# Altium PCB higgs.PcbDoc (part 9 of 25) (continued)
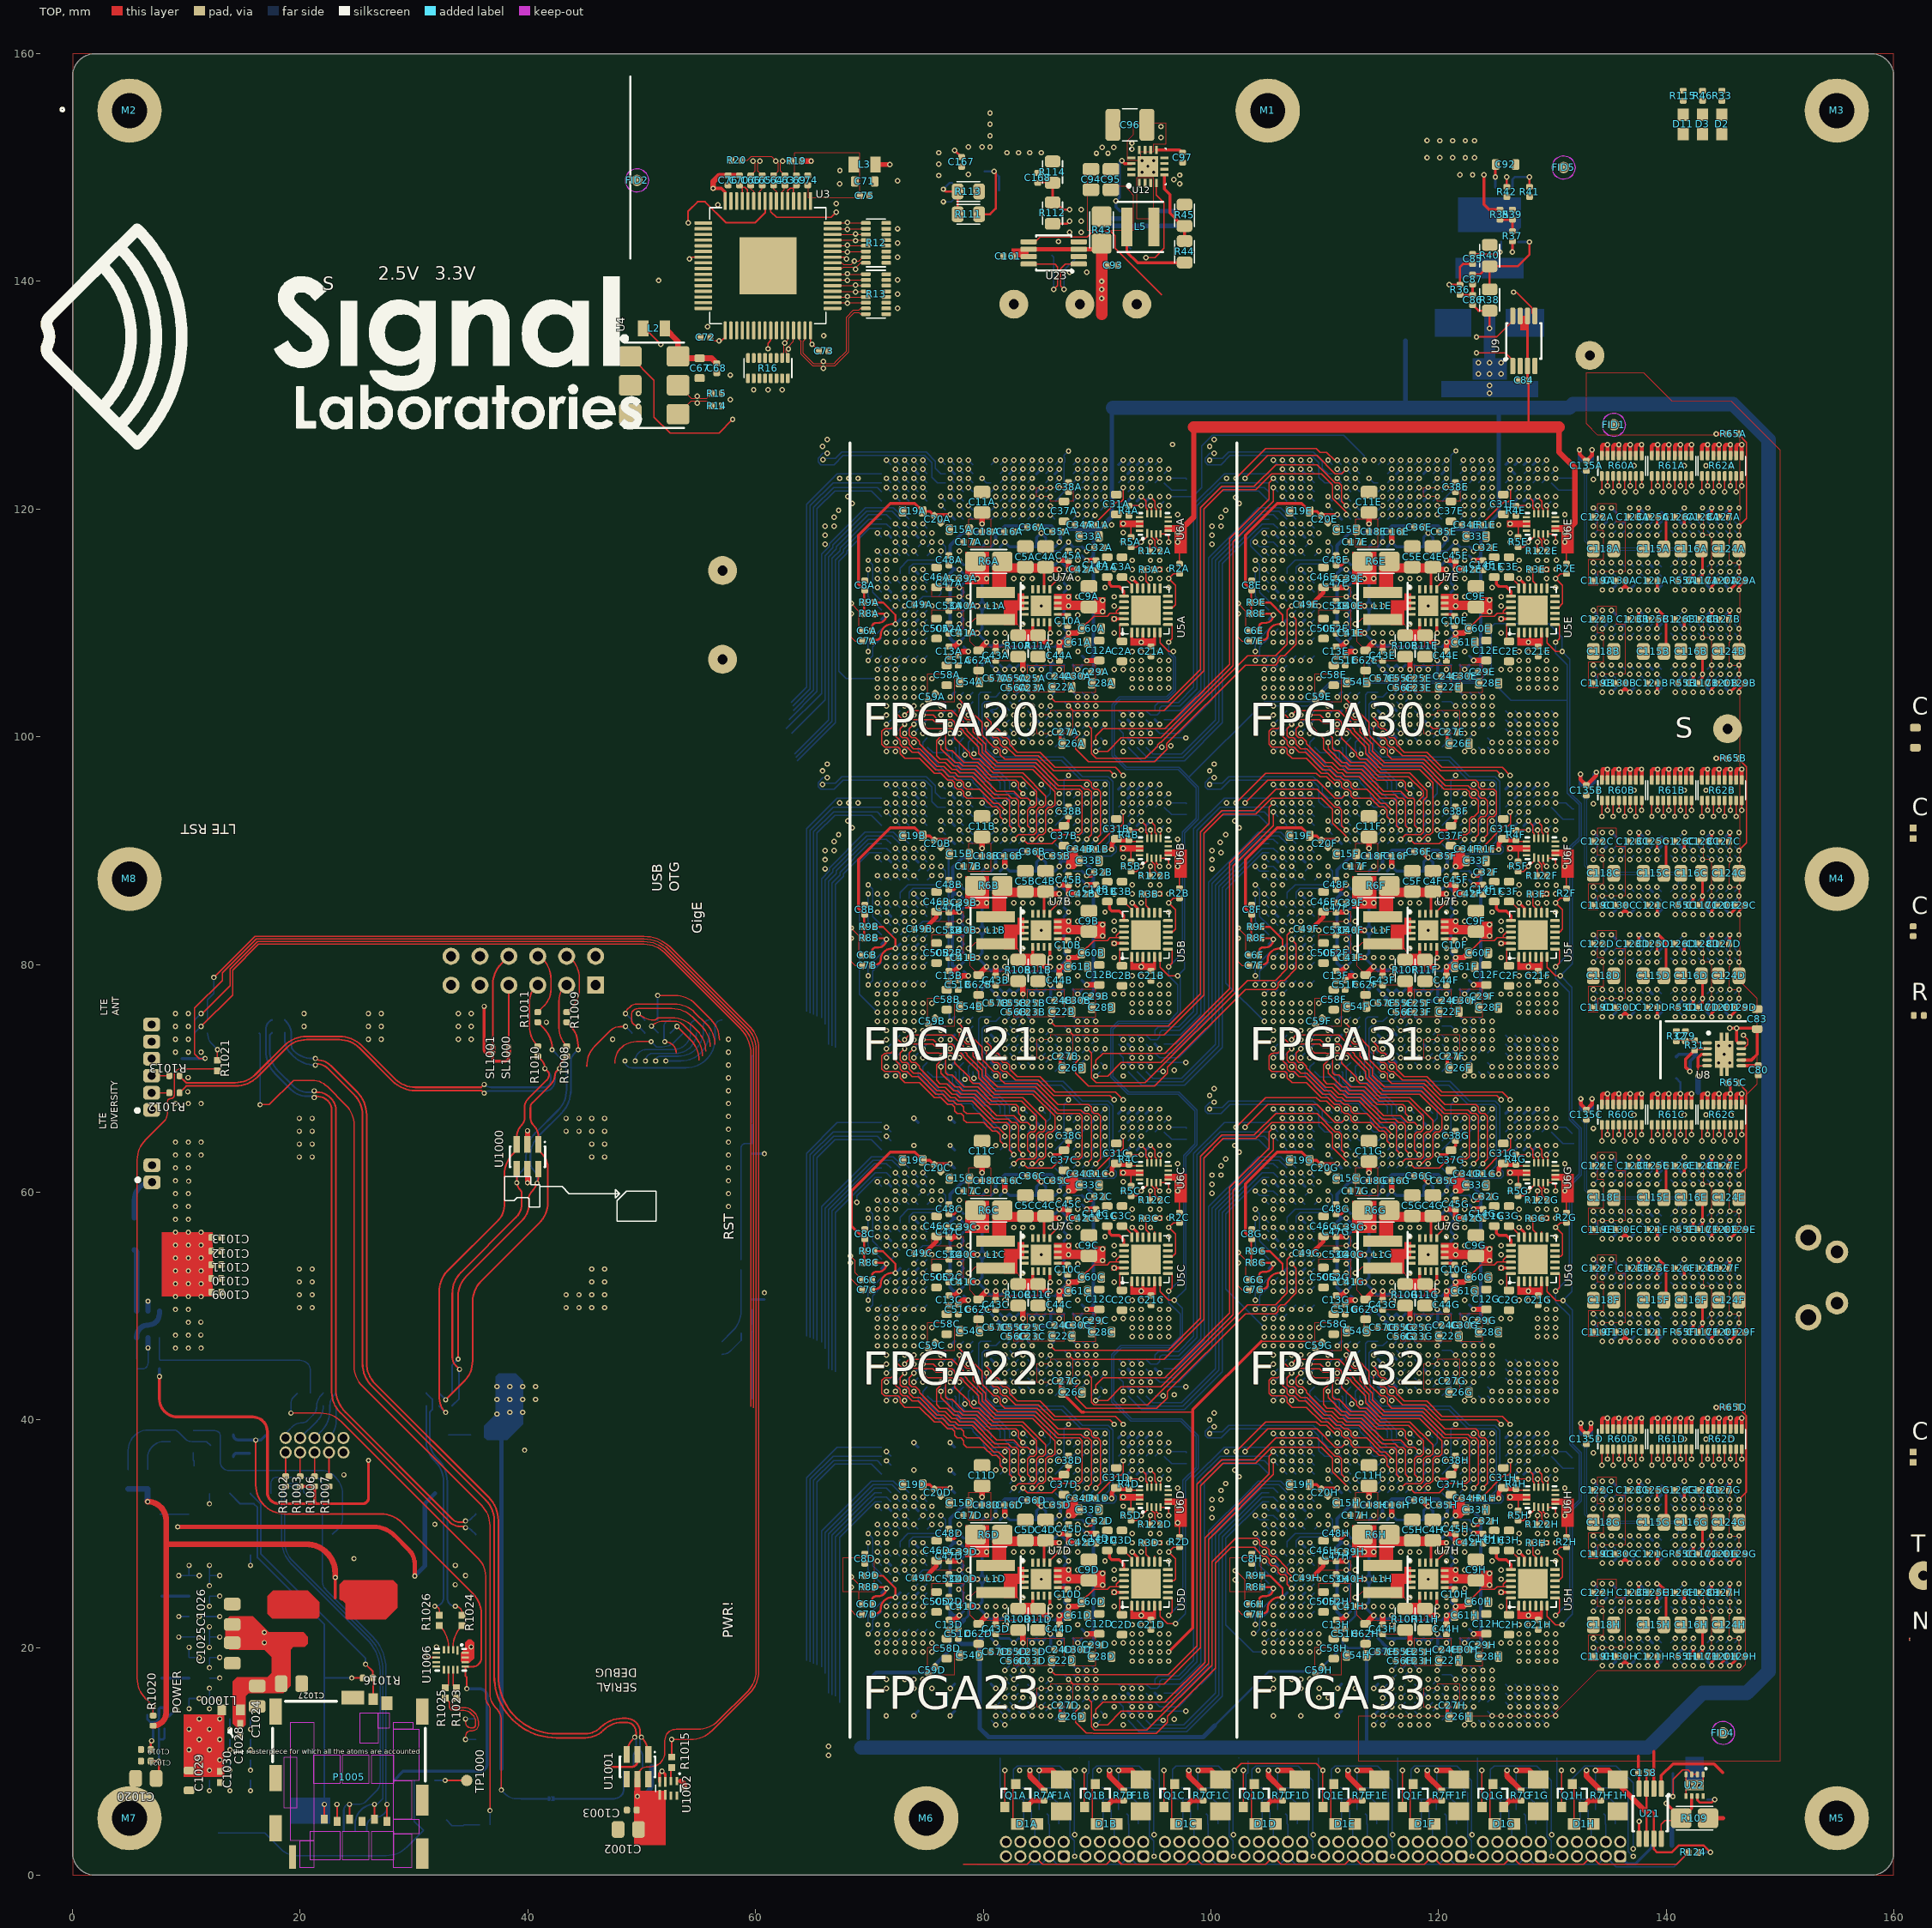
[diagram p0: TOP view]
## Nets (pads, with @x,y where several pads share a name; then routed paths per layer and width w, separated by ;. In a path a pad name is that pad's centre, name@x,y a point inside that pad or via, vN(x,y) a via of type N, cw(c..) or ccw(c..) an arc to the next point about the centre after c; other vN are vias at no path point) (continued)
  TOP w0.2: U21.5@137.625,3.2 v1(137.625,4.725)
  S1(V) w0.1: v1(137.625,4.725) 138.55,3.8 144.1,3.8
IL07.LR.G0.D0C_N: U1C.D5
IL07.LR.G0.D0C_P: U1C.C5
IL07.LR.G0.D0D_N: U1D.D5
IL07.LR.G0.D0D_P: U1D.C5
IL07.LR.G0.D1C_N: U1C.C3
IL07.LR.G0.D1C_P: U1C.C4
IL07.LR.G0.D1D_N: U1D.C3
IL07.LR.G0.D1D_P: U1D.C4
IL07.LR.G0.D2C_N: U1C.E4
IL07.LR.G0.D2C_P: U1C.D4
IL07.LR.G0.D2D_N: U1D.E4
IL07.LR.G0.D2D_P: U1D.D4
IL07.LR.G0.D3C_N: U1C.F5
IL07.LR.G0.D3C_P: U1C.F4
IL07.LR.G0.D3D_N: U1D.F5
IL07.LR.G0.D3D_P: U1D.F4
IL07.LR.G0.D4C_N: U1C.D2
IL07.LR.G0.D4C_P: U1C.D3
IL07.LR.G0.D4D_N: U1D.D2
IL07.LR.G0.D4D_P: U1D.D3
IL07.LR.G0.SC_N: U1C.C2
IL07.LR.G0.SC_P: U1C.B1
IL07.LR.G0.SD_N: U1D.C2
IL07.LR.G0.SD_P: U1D.B1
IL07.LR.G1.D0C_N: U1C.E1
IL07.LR.G1.D0C_P: U1C.F2
IL07.LR.G1.D0D_N: U1D.E1
IL07.LR.G1.D0D_P: U1D.F2
IL07.LR.G1.D1C_N: U1C.H1
IL07.LR.G1.D1C_P: U1C.F1
IL07.LR.G1.D1D_N: U1D.H1
IL07.LR.G1.D1D_P: U1D.F1
IL07.LR.G1.D2C_N: U1C.H3
IL07.LR.G1.D2C_P: U1C.H2
IL07.LR.G1.D2D_N: U1D.H3
IL07.LR.G1.D2D_P: U1D.H2
IL07.LR.G1.D3C_N: U1C.K3
IL07.LR.G1.D3C_P: U1C.J3
IL07.LR.G1.D3D_N: U1D.K3
IL07.LR.G1.D3D_P: U1D.J3
IL07.LR.G1.D4C_N: U1C.L1
IL07.LR.G1.D4C_P: U1C.K1
IL07.LR.G1.D4D_N: U1D.L1
IL07.LR.G1.D4D_P: U1D.K1
IL07.LR.G1.SC_N: U1C.J1
IL07.LR.G1.SC_P: U1C.K2
IL07.LR.G1.SD_N: U1D.J1
IL07.LR.G1.SD_P: U1D.K2
IL07.LR.G2.D0C_N: U1C.K7
IL07.LR.G2.D0C_P: U1C.K6
IL07.LR.G2.D0D_N: U1D.K7
IL07.LR.G2.D0D_P: U1D.K6
IL07.LR.G2.D1C_N: U1C.L4
IL07.LR.G2.D1C_P: U1C.K5
IL07.LR.G2.D1D_N: U1D.L4
IL07.LR.G2.D1D_P: U1D.K5
IL07.LR.G2.D2C_N: U1C.N7
IL07.LR.G2.D2C_P: U1C.N6
IL07.LR.G2.D2D_N: U1D.N7
IL07.LR.G2.D2D_P: U1D.N6
IL07.LR.G2.D3C_N: U1C.P7
IL07.LR.G2.D3C_P: U1C.P6
IL07.LR.G2.D3D_N: U1D.P7
IL07.LR.G2.D3D_P: U1D.P6
IL07.LR.G2.D4C_N: U1C.L6
IL07.LR.G2.D4C_P: U1C.L7
IL07.LR.G2.D4D_N: U1D.L6
IL07.LR.G2.D4D_P: U1D.L7
IL07.LR.G2.SC_N: U1C.N4
IL07.LR.G2.SC_P: U1C.N3
IL07.LR.G2.SD_N: U1D.N4
IL07.LR.G2.SD_P: U1D.N3
IL07.LR.G3.D0C_N: U1C.E3
IL07.LR.G3.D0C_P: U1C.F3
IL07.LR.G3.D0D_N: U1D.E3
IL07.LR.G3.D0D_P: U1D.F3
IL07.LR.G3.D1C_N: U1C.D1
IL07.LR.G3.D1C_P: U1C.C1
IL07.LR.G3.D1D_N: U1D.D1
IL07.LR.G3.D1D_P: U1D.C1
IL07.LR.G3.D2C_N: U1C.L3
IL07.LR.G3.D2C_P: U1C.L2
IL07.LR.G3.D2D_N: U1D.L3
IL07.LR.G3.D2D_P: U1D.L2
IL07.LR.G3.D3C_N: U1C.K4
IL07.LR.G3.D3C_P: U1C.J4
IL07.LR.G3.D3D_N: U1D.K4
IL07.LR.G3.D3D_P: U1D.J4
IL07.LR.G3.D4C_N: U1C.H5
IL07.LR.G3.D4C_P: U1C.H6
IL07.LR.G3.D4D_N: U1D.H5
IL07.LR.G3.D4D_P: U1D.H6
IL07.LR.G3.SC_N: U1C.D17
IL07.LR.G3.SC_P: U1C.C17
IL07.LR.G3.SD_N: U1D.D17
IL07.LR.G3.SD_P: U1D.C17
IL07.LR.VTTC: C19C.2 C20C.2 U1C.J7
IL07.LR.VTTD: C19D.2 C20D.2 U1D.J7
IL07.TB.G8.D0C_N: U1C.D9 | length 0.6
  BOT w0.102: v1(73.1,60.9) U1C.D9@73.5,60.5
IL07.TB.G8.D0C_P: U1C.F9 | length 0.6
  BOT w0.102: v1(74.7,60.9) U1C.F9@75.1,60.5
IL07.TB.G8.D0D_N: U1D.D9 | length 0.6
  BOT w0.102: v1(73.1,32.4) U1D.D9@73.5,32
IL07.TB.G8.D0D_P: U1D.F9 | length 0.6
  BOT w0.102: v1(74.7,32.4) U1D.F9@75.1,32
IL07.TB.G8.D1C_N: U1C.A9 | length 0.6
  BOT w0.102: v1(70.7,60.9) U1C.A9@71.1,60.5
IL07.TB.G8.D1C_P: U1C.C9 | length 0.6
  BOT w0.102: v1(72.3,60.9) U1C.C9@72.7,60.5
IL07.TB.G8.D1D_N: U1D.A9 | length 0.6
  BOT w0.102: v1(70.7,32.4) U1D.A9@71.1,32
IL07.TB.G8.D1D_P: U1D.C9 | length 0.6
  BOT w0.102: v1(72.3,32.4) U1D.C9@72.7,32
IL07.TB.G8.D2C_N: U1C.C11 | length 0.6
  BOT w0.102: v1(72.3,59.3) U1C.C11@72.7,58.9
IL07.TB.G8.D2C_P: U1C.D11 | length 0.6
  BOT w0.102: v1(73.1,59.3) U1C.D11@73.5,58.9
IL07.TB.G8.D2D_N: U1D.C11 | length 0.6
  BOT w0.102: v1(72.3,30.8) U1D.C11@72.7,30.4
IL07.TB.G8.D2D_P: U1D.D11 | length 0.6
  BOT w0.102: v1(73.1,30.8) U1D.D11@73.5,30.4
IL07.TB.G8.D3C_N: U1C.C10 | length 0.6
  BOT w0.102: v1(72.3,60.1) U1C.C10@72.7,59.7
IL07.TB.G8.D3C_P: U1C.D10 | length 0.6
  BOT w0.102: v1(73.1,60.1) U1C.D10@73.5,59.7
IL07.TB.G8.D3D_N: U1D.C10 | length 0.6
  BOT w0.102: v1(72.3,31.6) U1D.C10@72.7,31.2
IL07.TB.G8.D3D_P: U1D.D10 | length 0.6
  BOT w0.102: v1(73.1,31.6) U1D.D10@73.5,31.2
IL07.TB.G13.CC_N: U1C.B4 | length 0.6
  BOT w0.102: v1(71.5,64.9) U1C.B4@71.9,64.5
IL07.TB.G13.CC_P: U1C.B3 | length 0.6
  BOT w0.102: v1(71.5,65.7) U1C.B3@71.9,65.3
IL07.TB.G13.CD_N: U1D.B4 | length 0.6
  BOT w0.102: v1(71.5,36.4) U1D.B4@71.9,36
IL07.TB.G13.CD_P: U1D.B3 | length 0.6
  BOT w0.102: v1(71.5,37.2) U1D.B3@71.9,36.8
IL07.TB.G13.D0C_N: U1C.A3 | length 23.2
  BOT w0.102: 64.805,47.229 64.805,63.291 66.814,65.3 U1C.A3@71.1,65.3
IL07.TB.G13.D0C_P: U1C.A2 | length 23.8
  BOT w0.102: 64.5,47.355 64.5,63.417 67.183,66.1 U1C.A2@71.1,66.1
IL07.TB.G13.D0D_N: U1D.A3 | length 23.2
  BOT w0.102: 64.805,18.729 64.805,34.791 66.814,36.8 U1D.A3@71.1,36.8
IL07.TB.G13.D0D_P: U1D.A2 | length 23.8
  BOT w0.102: 64.5,18.855 64.5,34.917 67.183,37.6 U1D.A2@71.1,37.6
IL07.TB.G13.D1C_N: U1C.A5 | length 22.8
  BOT w0.102: 65.414,46.977 65.414,63.039 66.976,64.6 70.2,64.6 U1C.A5@71.1,63.7
IL07.TB.G13.D1C_P: U1C.A4 | length 22.9
  BOT w0.102: 65.11,47.103 65.11,63.165 66.85,64.905 70.695,64.905 U1C.A4@71.1,64.5
IL07.TB.G13.D1D_N: U1D.A5 | length 22.8
  BOT w0.102: 65.414,18.477 65.414,34.539 66.976,36.1 70.2,36.1 U1D.A5@71.1,35.2
IL07.TB.G13.D1D_P: U1D.A4 | length 22.9
  BOT w0.102: 65.11,18.603 65.11,34.665 66.85,36.405 70.695,36.405 U1D.A4@71.1,36
IL07.TB.G13.D2C_N: U1C.C7 | length 21
  BOT w0.102: 66.105,46.243 66.105,58.593 69.23,61.718 70.316,62.805 71.995,62.805 U1C.C7@72.7,62.1
IL07.TB.G13.D2C_P: U1C.D7 | length 21.9
  BOT w0.102: 65.8,46.8 65.8,58.72 69.103,62.023 70.19,63.109 72.122,63.109 72.731,62.5 73.1,62.5 U1C.D7@73.5,62.1
IL07.TB.G13.D2D_N: U1D.C7 | length 21
  BOT w0.102: 66.105,17.743 66.105,30.093 69.23,33.218 70.316,34.305 71.995,34.305 U1D.C7@72.7,33.6
IL07.TB.G13.D2D_P: U1D.D7 | length 21.9
  BOT w0.102: 65.8,18.3 65.8,30.22 69.103,33.523 70.19,34.609 72.122,34.609 72.731,34 73.1,34 U1D.D7@73.5,33.6
IL07.TB.G13.D3C_N: U1C.A7 | length 19.9
  BOT w0.102: 66.714,44.352 66.714,58.341 69.482,61.109 70.473,62.1 U1C.A7@71.1,62.1
IL07.TB.G13.D3C_P: U1C.B7 | length 21.3
  BOT w0.102: 66.41,44.479 66.41,58.467 69.356,61.414 70.442,62.5 71.5,62.5 U1C.B7@71.9,62.1
IL07.TB.G13.D3D_N: U1D.A7 | length 19.9
  BOT w0.102: 66.714,15.852 66.714,29.841 69.482,32.609 70.473,33.6 U1D.A7@71.1,33.6
IL07.TB.G13.D3D_P: U1D.B7 | length 21.3
  BOT w0.102: 66.41,15.979 66.41,29.967 69.356,32.914 70.442,34 71.5,34 U1D.B7@71.9,33.6
IL07.TB.G13.D4C_N: U1C.E8 | length 0.6
  BOT w0.102: v1(73.9,61.7) U1C.E8@74.3,61.3
IL07.TB.G13.D4C_P: U1C.F8 | length 0.6
  BOT w0.102: v1(74.7,61.7) U1C.F8@75.1,61.3
IL07.TB.G13.D4D_N: U1D.E8 | length 0.6
  BOT w0.102: v1(73.9,33.2) U1D.E8@74.3,32.8
IL07.TB.G13.D4D_P: U1D.F8 | length 0.6
  BOT w0.102: v1(74.7,33.2) U1D.F8@75.1,32.8
IL07.TB.G13.D5C_N: U1C.C8 | length 0.6
  BOT w0.102: v1(72.3,61.7) U1C.C8@72.7,61.3
IL07.TB.G13.D5C_P: U1C.D8 | length 0.6
  BOT w0.102: v1(73.1,61.7) U1C.D8@73.5,61.3
IL07.TB.G13.D5D_N: U1D.C8 | length 0.6
  BOT w0.102: v1(72.3,33.2) U1D.C8@72.7,32.8
IL07.TB.G13.D5D_P: U1D.D8 | length 0.6
  BOT w0.102: v1(73.1,33.2) U1D.D8@73.5,32.8
IL07.TB.G13.D6C: U1C.B8 | length 20.5
  BOT w0.102: 67.019,44.226 67.019,58.215 69.608,60.804 70.505,61.7 71.5,61.7 U1C.B8@71.9,61.3
IL07.TB.G13.D6D: U1D.B8 | length 20.5
  BOT w0.102: 67.019,15.726 67.019,29.715 69.608,32.304 70.505,33.2 71.5,33.2 U1D.B8@71.9,32.8
IL07.VIOLRC: C15C.2 C16C.2 C17C.2 C18C.2 U1C.M10 U1C.P10 U1C.R10 U1C.T10 | length 3.2
  TOP w0.483: v1(81.9,60.1) C16C.2@81.9,60.83
  BOT w0.254: U1C.M10@79.9,59.7 v1(80.3,60.1) ; U1C.P10@81.5,59.7 v1(81.9,60.1) 82.3,59.7 U1C.T10@83.1,59.7
IL07.VIOLRD: C15D.2 C16D.2 C17D.2 C18D.2 U1D.M10 U1D.P10 U1D.R10 U1D.T10 | length 3.2
  TOP w0.483: v1(81.9,31.6) C16D.2@81.9,32.33
  BOT w0.254: U1D.M10@79.9,31.2 v1(80.3,31.6) ; U1D.P10@81.5,31.2 v1(81.9,31.6) U1D.R10@82.3,31.2 U1D.T10@83.1,31.2
IL07.VIOTBC: C46C.2 C47C.2 C48C.2 C49C.2 U1C.K12 U1C.K14 U1C.K15 U1C.K16 | length 7
  TOP w0.254: C48C.2@77,58.07 77.47,58.07 v1(77.9,58.5)
  TOP w0.381: C49C.2@74.83,54.6 75.9,55.67 C46C.2@75.9,56.125
  TOP w0.483: C47C.2@77,56.07 77.03,56.1 77.23,55.9 77.433,56.103 v1(77.881,56.103)
  BOT w0.254: v1@77.875,56.075 v1@77.881,56.081 ; v1(77.9,58.5) U1C.K12@78.3,58.1 ; U1C.K16@78.3,54.9 v1(77.9,55.3) U1C.K15@78.3,55.7 v1@77.9,56.1 ; U1C.K14@78.3,56.5 v1@77.9,56.1 ; v1@77.881,56.081 v1@77.9,56.1 ; v1@77.881,56.081 v1(77.881,56.103) 77.897,56.103 v1@77.9,56.1
IL07.VIOTBD: C46D.2 C47D.2 C48D.2 C49D.2 U1D.K12 U1D.K14 U1D.K15 U1D.K16 | length 6.8
  TOP w0.254: C48D.2@77,29.57 77.47,29.57 v1(77.9,30)
  TOP w0.381: C49D.2@74.83,26.1 75.9,27.17 C46D.2@75.9,27.625
  TOP w0.483: C47D.2@77,27.57 77.03,27.6 v1(77.9,27.6)
  BOT w0.254: v1(77.9,30) U1D.K12@78.3,29.6 ; U1D.K16@78.3,26.4 v1(77.9,26.8) U1D.K15@78.3,27.2 v1(77.9,27.6) U1D.K14@78.3,28
IL07_30.LR.G0.D0_N: U1A.U26 U1E.D5 | length 35.3
  S2(H) w0.102: v1@84.275,103.45 84.855,103.45 85.608,104.204 86.048,104.204 87.596,105.752 87.596,106.623 88.074,107.101 88.146,107.101 88.166,107.081 88.497,107.081 88.73,107.315 88.73,107.646 88.699,107.677 88.699,107.726 91.101,110.127 91.101,110.515 91.382,110.796 91.792,110.796 92.204,111.208 92.204,111.577 92.509,111.882 92.509,111.923 92.89,112.305 96.829,112.305 99.75,115.226 99.75,116.686 99.701,116.735 99.701,119.326 101.762,121.387 101.944,121.387 102.057,121.499 106.701,121.499 v1(107.1,121.1)
  BOT w0.102: U1A.U26@83.9,103.9 v1(84.3,103.5) ; v1(107.1,121.1) U1E.D5@107.5,120.7
IL07_30.LR.G0.D0_P: U1A.U27 U1E.C5 | length 33
  S2(H) w0.102: v1(84.3,102.7) 84.536,102.7 85.735,103.899 86.174,103.899 87.901,105.626 87.901,106.496 88.181,106.776 88.623,106.776 89.035,107.189 89.035,107.631 91.355,109.951 91.665,109.951 91.899,110.185 91.899,110.491 91.918,110.491 92.509,111.082 92.509,111.104 92.808,111.404 92.954,111.404 93.55,112 96.955,112 100.295,115.34 100.295,116.531 100.499,116.735 100.499,117.065 100.391,117.174 100.391,117.426 100.499,117.535 100.499,117.561 101.039,118.101 101.065,118.101 101.299,118.335 101.299,118.361 103.866,120.928 106.178,120.928 v1@106.325,121.075
  BOT w0.102: U1A.U27@83.9,103.1 v1(84.3,102.7) ; v1(106.3,121.1) U1E.C5@106.7,120.7
IL07_30.LR.G0.D1_N: U1A.T27 U1E.C3 | length 42.5
  S2(H) w0.102: 82.3,103.1 82.3,104.6 82.591,104.891 83.118,104.891 83.252,105.025 84.869,105.025 85.501,105.657 85.501,106.865 85.735,107.099 86.065,107.099 86.1,107.064 86.438,107.064 86.97,107.596 86.992,107.596 87.404,108.008 87.404,108.03 87.77,108.396 87.792,108.396 88.204,108.808 88.204,108.83 89.3,109.927 89.3,111.364 90.335,112.399 90.405,112.399 90.408,112.396 90.992,112.396 91.404,112.808 91.404,112.954 91.575,113.125 92.417,113.125 92.517,113.225 95.43,113.225 95.901,113.696 95.901,114.065 96.135,114.299 96.899,114.299 98.786,116.187 98.786,119.712 101.376,122.301 101.565,122.301 101.801,122.537 101.801,122.865 102.339,123.404 105.792,123.404 106.3,122.895 v1(106.3,122.7) ; 82.301,103.099 82.301,102.535 82.535,102.301 83.399,102.301 83.4,102.3 83.664,102.3 83.899,102.535 83.899,103.099 83.5,103.498 v1(83.5,103.5)
  BOT w0.102: U1A.T27@83.1,103.1 v1(83.5,103.5) ; v1(106.3,122.7) U1E.C3@106.7,122.3
IL07_30.LR.G0.D1_P: U1A.R27 U1E.C4 | length 37.2
  S2(H) w0.102: v1(82.7,102.7) 83.1,103.1 83.1,104.136 83.246,104.282 83.37,104.282 83.381,104.293 85.266,104.293 85.482,104.509 85.922,104.509 87.291,105.878 87.291,107.034 88.014,107.756 88.014,107.778 88.022,107.787 88.044,107.787 88.157,107.899 88.442,107.899 90.796,110.254 90.796,110.642 91.255,111.101 91.665,111.101 91.899,111.335 91.899,111.704 92.204,112.008 92.204,112.049 92.764,112.61 96.703,112.61 99.396,115.303 99.396,119.452 101.635,121.691 101.818,121.691 101.93,121.804 104.454,121.804 104.95,122.3 105.664,122.3 106.064,121.9 v1(106.3,121.9)
  BOT w0.102: U1A.R27@82.3,103.1 v1(82.7,102.7) ; v1(106.3,121.9) U1E.C4@106.7,121.5
IL07_30.LR.G0.D2_N: U1A.T26 U1E.E4 | length 39
  S2(H) w0.102: v1(82.7,103.5) 82.795,103.595 82.795,104.262 83.12,104.587 83.244,104.587 83.255,104.598 84.873,104.598 86.301,106.026 86.301,106.496 87.096,107.291 87.118,107.291 87.709,107.882 87.709,107.904 87.896,108.091 87.918,108.091 88.03,108.204 88.315,108.204 90.101,109.99 90.101,111.165 90.335,111.399 90.835,111.399 91.336,111.901 91.665,111.901 91.899,112.135 91.899,112.176 92.638,112.914 95.55,112.914 96.135,113.499 96.465,113.499 96.539,113.425 98.039,114.925 98.587,114.925 99.091,115.429 99.091,119.578 101.509,121.996 101.692,121.996 101.804,122.109 104.111,122.109 105.101,123.099 105.665,123.099 105.899,122.865 105.899,122.537 106.135,122.301 107.499,122.301 v1(107.9,121.9)
  BOT w0.102: v1(82.7,103.5) U1A.T26@83.1,103.9 ; v1(107.9,121.9) U1E.E4@108.3,121.5
IL07_30.LR.G0.D2_P: U1A.R26 U1E.D4 | length 44.5
  S2(H) w0.102: v1(81.9,103.5) 81.9,104.631 82.465,105.196 82.992,105.196 83.125,105.33 84.294,105.33 84.701,105.736 84.701,106.496 85.608,107.404 86.346,107.404 86.843,107.901 86.865,107.901 87.099,108.135 87.099,108.157 87.643,108.701 87.665,108.701 87.899,108.935 87.899,108.957 88.995,110.053 88.995,111.491 90.208,112.704 90.532,112.704 90.535,112.701 90.865,112.701 91.099,112.935 91.099,113.08 92.32,114.301 95.665,114.301 95.901,114.536 95.901,114.865 96.236,115.2 97.369,115.2 98.482,116.313 98.482,120.346 102.53,124.394 104.841,124.394 105.336,123.899 107.735,123.899 108.065,123.899 108.299,123.665 108.299,121.9 108.299,121.735 108.065,121.501 107.499,121.501 v1(107.1,121.9)
  BOT w0.102: v1(81.9,103.5) U1A.R26@82.3,103.9 ; v1(107.1,121.9) U1E.D4@107.5,121.5
IL07_30.LR.G0.D3_N: U1A.P29 U1E.F5 | length 48.8
  S2(H) w0.102: v1(81.1,101.1) 80.7,101.5 80.7,104.575 81.501,105.376 81.501,106.065 81.886,106.45 83.055,106.45 85.501,108.896 85.501,109.265 85.735,109.499 86.065,109.499 86.084,109.48 86.301,109.696 86.301,110.065 86.636,110.4 87.005,110.4 88.008,111.404 91.101,114.496 91.101,114.865 91.976,115.74 92.776,115.74 92.935,115.899 95.849,115.899 96.701,116.751 96.701,117.265 96.935,117.499 97.324,117.499 97.872,118.047 97.872,120.697 102.275,125.1 108.7,125.1 109.404,124.396 109.404,121.804 v1(108.7,121.1)
  BOT w0.102: v1(81.1,101.1) U1A.P29@81.5,101.5 ; v1(108.7,121.1) U1E.F5@109.1,120.7
IL07_30.LR.G0.D3_P: U1A.P28 U1E.F4 | length 45.2
  S2(H) w0.102: v1(81.9,101.9) 81.5,102.3 81.5,104.662 82.339,105.501 82.865,105.501 83.099,105.735 83.099,106.064 85.735,108.699 86.064,108.699 86.301,108.936 86.301,109.265 86.535,109.499 86.865,109.499 86.9,109.464 86.9,109.5 87.901,110.501 87.901,110.865 88.135,111.099 88.499,111.099 88.69,111.29 88.69,111.655 90.535,113.499 90.899,113.499 92.6,115.2 92.836,115.2 92.935,115.101 94.865,115.101 94.964,115.2 95.236,115.2 95.335,115.101 95.705,115.101 98.177,117.572 98.177,120.472 102.404,124.699 108.065,124.699 108.301,124.464 108.301,124.135 108.536,123.899 108.865,123.899 109.099,123.665 109.099,122.299 v1(108.7,121.9)
  BOT w0.102: U1A.P28@81.5,102.3 v1(81.9,101.9) ; v1(108.7,121.9) U1E.F4@109.1,121.5
IL07_30.LR.G0.D4_N: U1A.U28 U1E.D2 | length 41.7
  S6(H) w0.102: v1(84.3,101.9) 84.3,102.136 84.699,102.535 84.699,104.599 85.499,105.399 85.499,109.264 85.735,109.499 88.399,109.499 90.481,111.581 90.672,111.581 90.905,111.815 90.905,111.841 90.964,111.899 91.664,111.899 92.465,112.701 96.639,112.701 98.998,115.06 98.998,120.484 101.613,123.099 105.665,123.099 105.899,122.865 105.899,122.537 106.135,122.301 107.265,122.301 107.499,122.535 107.499,123.101 v1(107.1,123.5)
  BOT w0.102: U1A.U28@83.9,102.3 v1(84.3,101.9) ; v1(107.1,123.5) U1E.D2@107.5,123.1
  other v1: 101.4,122.7
IL07_30.LR.G0.D4_P: U1A.T29 U1E.D3 | length 42.9
  S6(H) w0.102: v1(82.7,101.1) 82.7,101.336 83.099,101.735 83.099,101.868 83.101,101.87 83.101,102.065 83.335,102.299 83.664,102.299 83.899,102.535 83.899,104.599 84.699,105.399 84.699,109.599 85.401,110.301 88.465,110.301 90.101,111.936 90.101,112.165 90.636,112.701 91.401,112.701 92.201,113.501 97.008,113.501 98.693,115.186 98.693,120.61 101.583,123.5 101.592,123.5 102.153,124.062 104.743,124.062 105.21,123.594 105.641,123.594 106.136,123.099 106.701,123.099 v1(107.1,122.7)
  BOT w0.102: v1(82.7,101.1) U1A.T29@83.1,101.5 ; v1(107.1,122.7) U1E.D3@107.5,122.3
IL07_30.LR.G0.S_N: U1A.T28 U1E.C2 | length 41.4
  S6(H) w0.102: v1(82.7,101.9) 82.7,102.136 83.1,102.536 83.1,104.5 83.901,105.301 83.901,106.101 84.364,106.564 84.364,110.164 85.301,111.101 88.136,111.101 90.736,113.7 91.969,113.7 92.075,113.806 92.23,113.806 92.725,114.301 97.101,114.301 98.109,115.309 98.109,120.651 101.824,124.366 104.869,124.366 105.336,123.899 105.899,123.899 106.298,123.5 v1(106.3,123.5)
  BOT w0.102: v1(82.7,101.9) U1A.T28@83.1,102.3 ; v1(106.3,123.5) U1E.C2@106.7,123.1
IL07_30.LR.G0.S_P: U1A.R29 U1E.B1 | length 42.1
  S6(H) w0.102: v1(81.9,101.1) 82.301,101.501 82.301,104.132 83.101,104.932 83.101,106.201 83.899,106.999 83.899,110.864 84.936,111.901 88.465,111.901 90.664,114.1 91.8,114.1 92.5,114.8 92.8,115.1 96.83,115.1 97.804,116.074 97.804,120.777 101.698,124.671 105.3,124.671 105.5,124.471 v1(105.5,124.3)
  BOT w0.102: v1(81.9,101.1) U1A.R29@82.3,101.5 ; v1(105.5,124.3) U1E.B1@105.9,123.9
IL07_30.LR.G1.D0_N: U1A.P30 U1E.E1 | length 46.3
  S6(H) w0.102: v1(81.1,100.3) 81.5,100.7 81.5,104.5 82.299,105.299 82.299,106.199 83.1,107 83.1,111.038 84.763,112.701 88.601,112.701 91.801,115.901 97.2,115.901 97.499,116.2 97.499,120.904 101.571,124.976 107.224,124.976 v1(107.9,124.3)
  BOT w0.102: v1(81.1,100.3) U1A.P30@81.5,100.7 ; v1(107.9,124.3) U1E.E1@108.3,123.9
IL07_30.LR.G1.D0_P: U1A.P31 U1E.F2 | length 49.4
  S6(H) w0.102: v1(81.9,99.5) 81.499,99.901 80.935,99.901 80.701,100.135 80.701,100.499 80.7,100.5 80.7,104.8 81.501,105.601 81.501,106.299 82.604,107.402 82.604,110.973 85.132,113.501 88.502,113.501 91.702,116.701 96.465,116.701 96.701,116.936 96.701,119.665 97.194,120.159 97.194,121.03 101.445,125.281 107.484,125.281 108.299,124.465 108.299,124.202 108.301,124.2 108.301,123.901 v1(108.7,123.5) v1(108.7,123.5)
  BOT w0.102: U1A.P31@81.5,99.9 v1(81.9,99.5) ; v1(108.7,123.5) U1E.F2@109.1,123.1
IL07_30.LR.G1.D1_N: U1A.T30 U1E.H1 | length 45.8
  S6(H) w0.102: v1(83.5,101.1) 83.899,100.701 84.465,100.701 84.701,100.936 84.701,101.265 84.936,101.501 85.265,101.501 85.499,101.735 85.499,102.064 85.736,102.301 86.065,102.301 86.299,102.535 86.299,106.064 87.099,106.864 87.099,107.699 88.29,108.89 88.652,108.89 89.662,109.9 91.614,109.9 93.806,112.091 96.891,112.091 99.607,114.807 99.607,120.232 101.371,121.995 104.84,121.995 106.135,120.701 107.265,120.701 107.499,120.935 107.499,121.264 107.735,121.499 107.898,121.499 107.9,121.501 108.065,121.501 108.299,121.735 108.299,122.064 108.536,122.301 108.865,122.301 109.099,122.535 109.099,122.904 109.899,123.704 109.899,123.899 v1(110.3,124.3)
  BOT w0.102: U1A.T30@83.1,100.7 v1(83.5,101.1) ; v1(110.3,124.3) U1E.H1@110.7,123.9
IL07_30.LR.G1.D1_P: U1A.R30 U1E.F1 | length 45.5
  S6(H) w0.102: v1(82.7,100.3) 83.099,100.699 83.099,101.264 83.335,101.499 83.6,101.499 84.464,101.499 84.699,101.735 84.699,102.064 84.935,102.299 85.264,102.299 85.499,102.535 85.499,104.968 85.804,105.273 85.804,106.039 86.299,106.535 86.299,107.335 88.159,109.194 88.525,109.194 89.931,110.6 91.164,110.6 92.961,112.396 96.765,112.396 99.303,114.934 99.303,120.358 101.245,122.3 105.664,122.3 105.899,122.065 105.899,121.901 105.901,121.899 105.901,121.735 106.136,121.499 107.264,121.499 107.501,121.736 107.501,122.065 107.736,122.301 108.065,122.301 108.299,122.535 108.299,122.864 108.536,123.101 108.865,123.101 109.099,123.335 109.099,123.901 v1(108.7,124.3)
  BOT w0.102: U1A.R30@82.3,100.7 v1(82.7,100.3) ; v1(108.7,124.3) U1E.F1@109.1,123.9
IL07_30.LR.G1.D2_N: U1A.P32 U1E.H3 | length 52.8
  S1(V) w0.102: v1(81.9,98.7) 82.3,99.1 82.3,106.5 86.901,111.101 88.096,111.101 91.295,114.299 96.5,114.299 97.804,115.603 97.804,118.701 100.205,121.102 100.205,123.925 100.394,124.115 v1@100.394,124.806
  BOT w0.102: U1A.P32@81.5,99.1 v1(81.9,98.7) ; v1(100.3,124.9) 99.936,124.9 99.501,124.465 99.501,124.135 99.735,123.901 100.901,123.901 101.699,124.699 108.865,124.699 108.932,124.632 109.5,124.066 109.5,122.8 110,122.3 U1E.H3@110.7,122.3
IL07_30.LR.G1.D2_P: U1A.N32 U1E.H2 | length 49.9
  S1(V) w0.102: v1(81.1,98.7) 81.499,99.099 81.499,106.535 86.865,111.901 88.465,111.901 90.9,114.336 90.9,115.2 92.401,116.701 96.8,116.701 97.265,116.701 97.499,116.935 97.499,118.828 99.9,121.229 v1(99.9,124.3)
  BOT w0.102: U1A.N32@80.7,99.1 v1(81.1,98.7) ; v1@99.933,124.433 101.002,124.433 101.573,125.004 108.993,125.004 109.805,124.192 109.805,123.6 110.305,123.1 U1E.H2@110.7,123.1
IL07_30.LR.G1.D3_N: U1A.Y30 U1E.K3 | length 42.7
  S1(V) w0.102: v1(85.9,101.1) 85.499,101.501 85.499,105.599 87.001,107.101 88.146,107.101 88.166,107.081 88.497,107.081 88.516,107.101 90.065,107.101 93.501,110.536 93.501,110.865 93.736,111.1 96.793,111.1 99.023,113.33 99.023,117.223 99.5,117.7 v1(100.1,117.7)
  S5(V) w0.102: v1(100.1,117.7) 100.5,118.1 100.5,118.664 100.736,118.901 103.166,118.901 103.974,119.709 109,119.709 109.901,120.61 109.901,121.6 110.6,122.299 111.264,122.299 111.664,122.7 v1(111.9,122.7)
  BOT w0.102: v1(85.9,101.1) U1A.Y30@86.3,100.7 ; v1(111.9,122.7) U1E.K3@112.3,122.3
IL07_30.LR.G1.D3_P: U1A.W30 U1E.J3 | length 44
  S1(V) w0.102: v1(85.1,100.3) 84.701,100.699 84.701,106.401 86.2,107.9 86.699,107.9 ; 86.7,107.901 89.615,107.901 94.109,112.394 97.656,112.394 98.718,113.456 98.718,118.309 99.71,119.3 v1(100.9,119.3)
  S5(V) w0.102: v1(100.9,119.3) 103.134,119.3 103.848,120.014 108.874,120.014 109.596,120.736 109.596,121.726 110.57,122.7 v1(111.1,122.7)
  BOT w0.102: v1(85.1,100.3) U1A.W30@85.5,100.7 ; v1(111.1,122.7) U1E.J3@111.5,122.3
IL07_30.LR.G1.D4_N: U1A.U30 U1E.L1 | length 53.5
  S1(V) w0.102: v1(84.3,100.3) 83.901,100.699 83.901,107.239 85.362,108.7 89.2,108.7 91.1,110.6 91.1,112.299 ; 91.101,112.3 91.101,112.465 91.335,112.699 96.1,112.699 96.102,112.701 96.465,112.701 98.414,114.649 98.414,118.445 98.975,119.007 98.975,119.011 100.814,120.85 100.814,122.8 101.3,123.286 101.3,124.969 100.3,125.969 v1(100.3,126.1)
  S6(H) w0.102: v1(100.3,126.1) 111.6,126.1 112.7,125 v1(112.7,124.3)
  BOT w0.102: U1A.U30@83.9,100.7 v1(84.3,100.3) ; v1(112.7,124.3) U1E.L1@113.1,123.9
IL07_30.LR.G1.D4_P: U1A.U31 U1E.K1 | length 52.7
  S1(V) w0.102: v1(84.3,99.5) 83.1,100.7 83.1,106.869 85.73,109.499 88.624,109.499 90.101,110.976 90.101,112.165 90.636,112.701 90.865,112.701 91.665,113.501 96.465,113.501 98.109,115.144 98.109,118.575 100.51,120.976 100.51,123.799 100.699,123.989 100.699,125.065 100.264,125.5 v1(99.9,125.5)
  S2(H) w0.102: v1(99.9,125.5) 110.88,125.5 111.9,124.48 v1(111.9,124.3)
  BOT w0.102: U1A.U31@83.9,99.9 v1(84.3,99.5) ; v1(111.9,124.3) U1E.K1@112.3,123.9
IL07_30.LR.G1.S_N: U1A.T31 U1E.J1 | length 48.7
  TOP w0.102: v1(102.2,122.7) 104.8,125.3 109.28,125.3 109.585,124.995 110.169,124.995 110.864,124.3 v1(111.1,124.3)
  S1(V) w0.102: v1(83.5,99.5) 83.899,99.101 86.545,99.101 87.901,100.456 87.901,100.465 88.135,100.699 88.464,100.699 88.699,100.935 88.699,102.064 88.936,102.301 89.265,102.301 89.501,102.536 89.501,102.865 89.735,103.099 89.9,103.099 89.902,103.101 90.065,103.101 90.364,103.4 90.5,103.4 92.599,105.499 97.506,105.499 99.186,107.179 99.186,111.055 101.309,113.178 101.309,116.547 101.699,116.937 101.699,120.065 101.3,120.464 101.3,121.8 v1(102.2,122.7)
  BOT w0.102: U1A.T31@83.1,99.9 v1(83.5,99.5) ; v1(111.1,124.3) U1E.J1@111.5,123.9
IL07_30.LR.G1.S_P: U1A.R32 U1E.K2 | length 50.5
  TOP w0.102: v1(103,122.7) 104.999,124.699 109.336,124.699 110.935,123.101 111.501,123.101 v1(111.9,123.5)
  S1(V) w0.102: v1(82.7,99.5) 83.404,98.796 87.361,98.796 88.699,100.135 88.699,100.448 88.701,100.45 88.701,100.465 88.935,100.699 89.264,100.699 89.499,100.935 89.499,101.9 89.501,101.902 89.501,102.065 89.736,102.301 90.299,102.301 90.698,102.7 90.7,102.7 92.7,104.7 97.138,104.7 99.49,107.053 99.49,110.886 101.7,113.096 101.7,116.462 102.1,116.862 102.1,120.3 101.7,120.7 101.7,121.4 v1(103,122.7)
  BOT w0.102: U1A.R32@82.3,99.1 v1(82.7,99.5) ; v1(111.9,123.5) U1E.K2@112.3,123.1
IL07_30.LR.G2.D0_N: U1A.Y27 U1E.K7 | length 45.7
  TOP w0.102: v1(87.5,102.7) 87.899,102.301 95.901,102.301 99.4,105.8 99.4,120 101.1,121.7 103.936,121.7 105.336,123.1 109.705,123.1 110.699,122.105 110.699,121.101 110.701,121.099 110.701,120.935 111.9,119.736 v1(111.9,119.5)
  BOT w0.102: U1A.Y27@86.3,103.1 87.1,103.1 v1(87.5,102.7) ; v1(111.9,119.5) U1E.K7@112.3,119.1
IL07_30.LR.G2.D0_P: U1A.Y26 U1E.K6 | length 46.5
  TOP w0.102: v1(85.9,103.5) 86.3,103.1 96.269,103.1 99.095,105.926 99.095,120.126 100.974,122.005 103.809,122.005 105.704,123.899 109.336,123.899 110.935,122.301 111.198,122.301 111.2,122.299 111.265,122.299 111.499,122.065 111.499,121.736 111.501,121.735 111.501,120.699 v1(111.9,120.3)
  BOT w0.102: v1(85.9,103.5) U1A.Y26@86.3,103.9 ; v1(111.9,120.3) U1E.K6@112.3,119.9
IL07_30.LR.G2.D1_N: U1A.W28 U1E.L4 | length 38.7
  S2(H) w0.102: v1(85.9,102.7) 89.577,106.377 89.577,106.697 90.769,107.889 90.769,108.933 91.482,109.646 91.792,109.646 92.204,110.058 92.204,110.346 92.814,110.956 92.814,110.978 92.935,111.099 96.485,111.099 100.6,115.214 100.6,116.405 100.804,116.608 100.804,117.192 100.695,117.3 100.804,117.408 100.804,117.435 101.165,117.796 101.192,117.796 101.604,118.208 101.604,118.235 103.992,120.623 109.197,120.623 109.596,121.023 109.596,121.392 110.504,122.299 112.301,122.299 v1(112.7,121.9)
  BOT w0.102: U1A.W28@85.5,102.3 v1(85.9,102.7) ; v1(112.7,121.9) U1E.L4@113.1,121.5
IL07_30.LR.G2.D1_P: U1A.Y28 U1E.K5 | length 36.1
  S2(H) w0.102: v1(86.7,101.9) 86.7,102.464 90.186,105.951 90.186,106.444 93.739,109.996 94.992,109.996 95.485,110.49 96.738,110.49 101.21,114.961 101.21,116.152 101.413,116.356 101.413,117.182 101.418,117.187 101.444,117.187 102.214,117.956 102.214,117.982 104.245,120.014 109.449,120.014 110.136,120.701 111.501,120.701 v1(111.9,121.1)
  BOT w0.102: U1A.Y28@86.3,102.3 v1(86.7,101.9) ; v1(111.9,121.1) U1E.K5@112.3,120.7
IL07_30.LR.G2.D2_N: U1A.W29 U1E.N7 | length 41.1
  S2(H) w0.102: v1(85.9,101.9) 86.395,102.395 86.395,102.591 89.882,106.077 89.882,106.57 93.612,110.301 94.865,110.301 95.359,110.794 96.612,110.794 100.905,115.087 100.905,116.278 101.109,116.482 101.109,117.309 101.291,117.491 101.318,117.491 101.909,118.082 101.909,118.109 104.118,120.318 109.323,120.318 109.901,120.896 109.901,121.265 110.135,121.499 110.6,121.499 113.101,121.499 v1(115.1,119.5)
  BOT w0.102: U1A.W29@85.5,101.5 v1(85.9,101.9) ; U1E.N7@114.7,119.1 v1(115.1,119.5)
IL07_30.LR.G2.D2_P: U1A.Y29 U1E.N6 | length 47.2
  S6(H) w0.102: v1(86.7,101.1) 87.099,101.499 87.099,104.399 87.709,105.009 87.709,106.709 88.101,107.101 88.146,107.101 88.166,107.081 88.497,107.081 88.516,107.101 88.663,107.101 90.263,108.701 91.665,108.701 91.964,109 ; 91.96,109.005 93.055,110.1 98.256,110.1 100.41,112.254 100.41,116.41 104.396,120.396 107.761,120.396 108.299,120.935 108.299,120.998 108.301,121 108.301,121.265 108.535,121.499 109.099,121.499 109.901,122.301 112.936,122.301 113.736,123.101 114.442,123.101 114.556,122.987 114.578,122.987 115.501,122.064 115.501,121.7 115.3,121.499 114.935,121.499 114.701,121.265 114.701,121.101 ; 114.7,121.1 114.701,121.101 ; v1@115.05,120.325 114.701,120.674 114.701,121.101
  BOT w0.102: U1A.Y29@86.3,101.5 v1(86.7,101.1) ; U1E.N6@114.7,119.9 v1(115.1,120.3)
IL07_30.LR.G2.D3_N: U1A.AC27 U1E.P7 | length 37.1
  S2(H) w0.102: v1(89.1,102.7) 89.499,103.099 90.064,103.099 91.899,104.935 91.899,106.064 92.935,107.099 92.999,107.099 ; 93,107.1 93.825,107.1 93.826,107.101 94.065,107.101 94.299,107.335 94.299,107.579 95.99,109.27 97.243,109.27 102.429,114.456 102.429,115.647 102.633,115.851 102.633,116.651 103.433,117.451 103.433,117.477 104.254,118.299 110.598,118.299 110.6,118.301 115.101,118.301 115.9,119.1 v1(115.9,119.5)
  BOT w0.102: U1A.AC27@88.7,103.1 v1(89.1,102.7) ; U1E.P7@115.5,119.1 v1(115.9,119.5)
IL07_30.LR.G2.D3_P: U1A.AB26 U1E.P6 | length 39.1
  S2(H) w0.102: v1(88.3,103.5) 88.3,103.633 90.491,105.825 90.491,106.318 93.865,109.691 95.118,109.691 95.611,110.185 96.864,110.185 101.514,114.835 101.514,116.026 101.718,116.23 101.718,117.03 102.518,117.83 102.518,117.856 104.371,119.709 110.5,119.709 110.69,119.899 111,119.899 ; 111,119.9 111.8,119.9 112.065,119.901 112.299,120.135 112.299,120.464 112.535,120.699 113.336,120.699 114.935,119.101 115.265,119.101 115.5,119.336 115.5,119.9 v1(115.9,120.3)
  BOT w0.102: U1A.AB26@87.9,103.9 v1(88.3,103.5) ; U1E.P6@115.5,119.9 v1(115.9,120.3)